# Altium PCB CGRA_Board_3.PcbDoc (part 3 of 7)
Units mil, origin at the board's own origin, x right, y up, seen from the top; angles counter-clockwise.
Board outline 10143 x 5538 mil, 10 copper layers (Top Layer, GND, Int2 (Sign), 1V8, Int4 (Sign), Int5 (Sign), 0V8_OUT, Int7 (Sign), GND (Plane4), Bottom Layer), stack 59.156 mil thick; 266 components, 396 nets, 2084 pads, 2900 vias.
Unrouted connection lines stored in the file: 464.
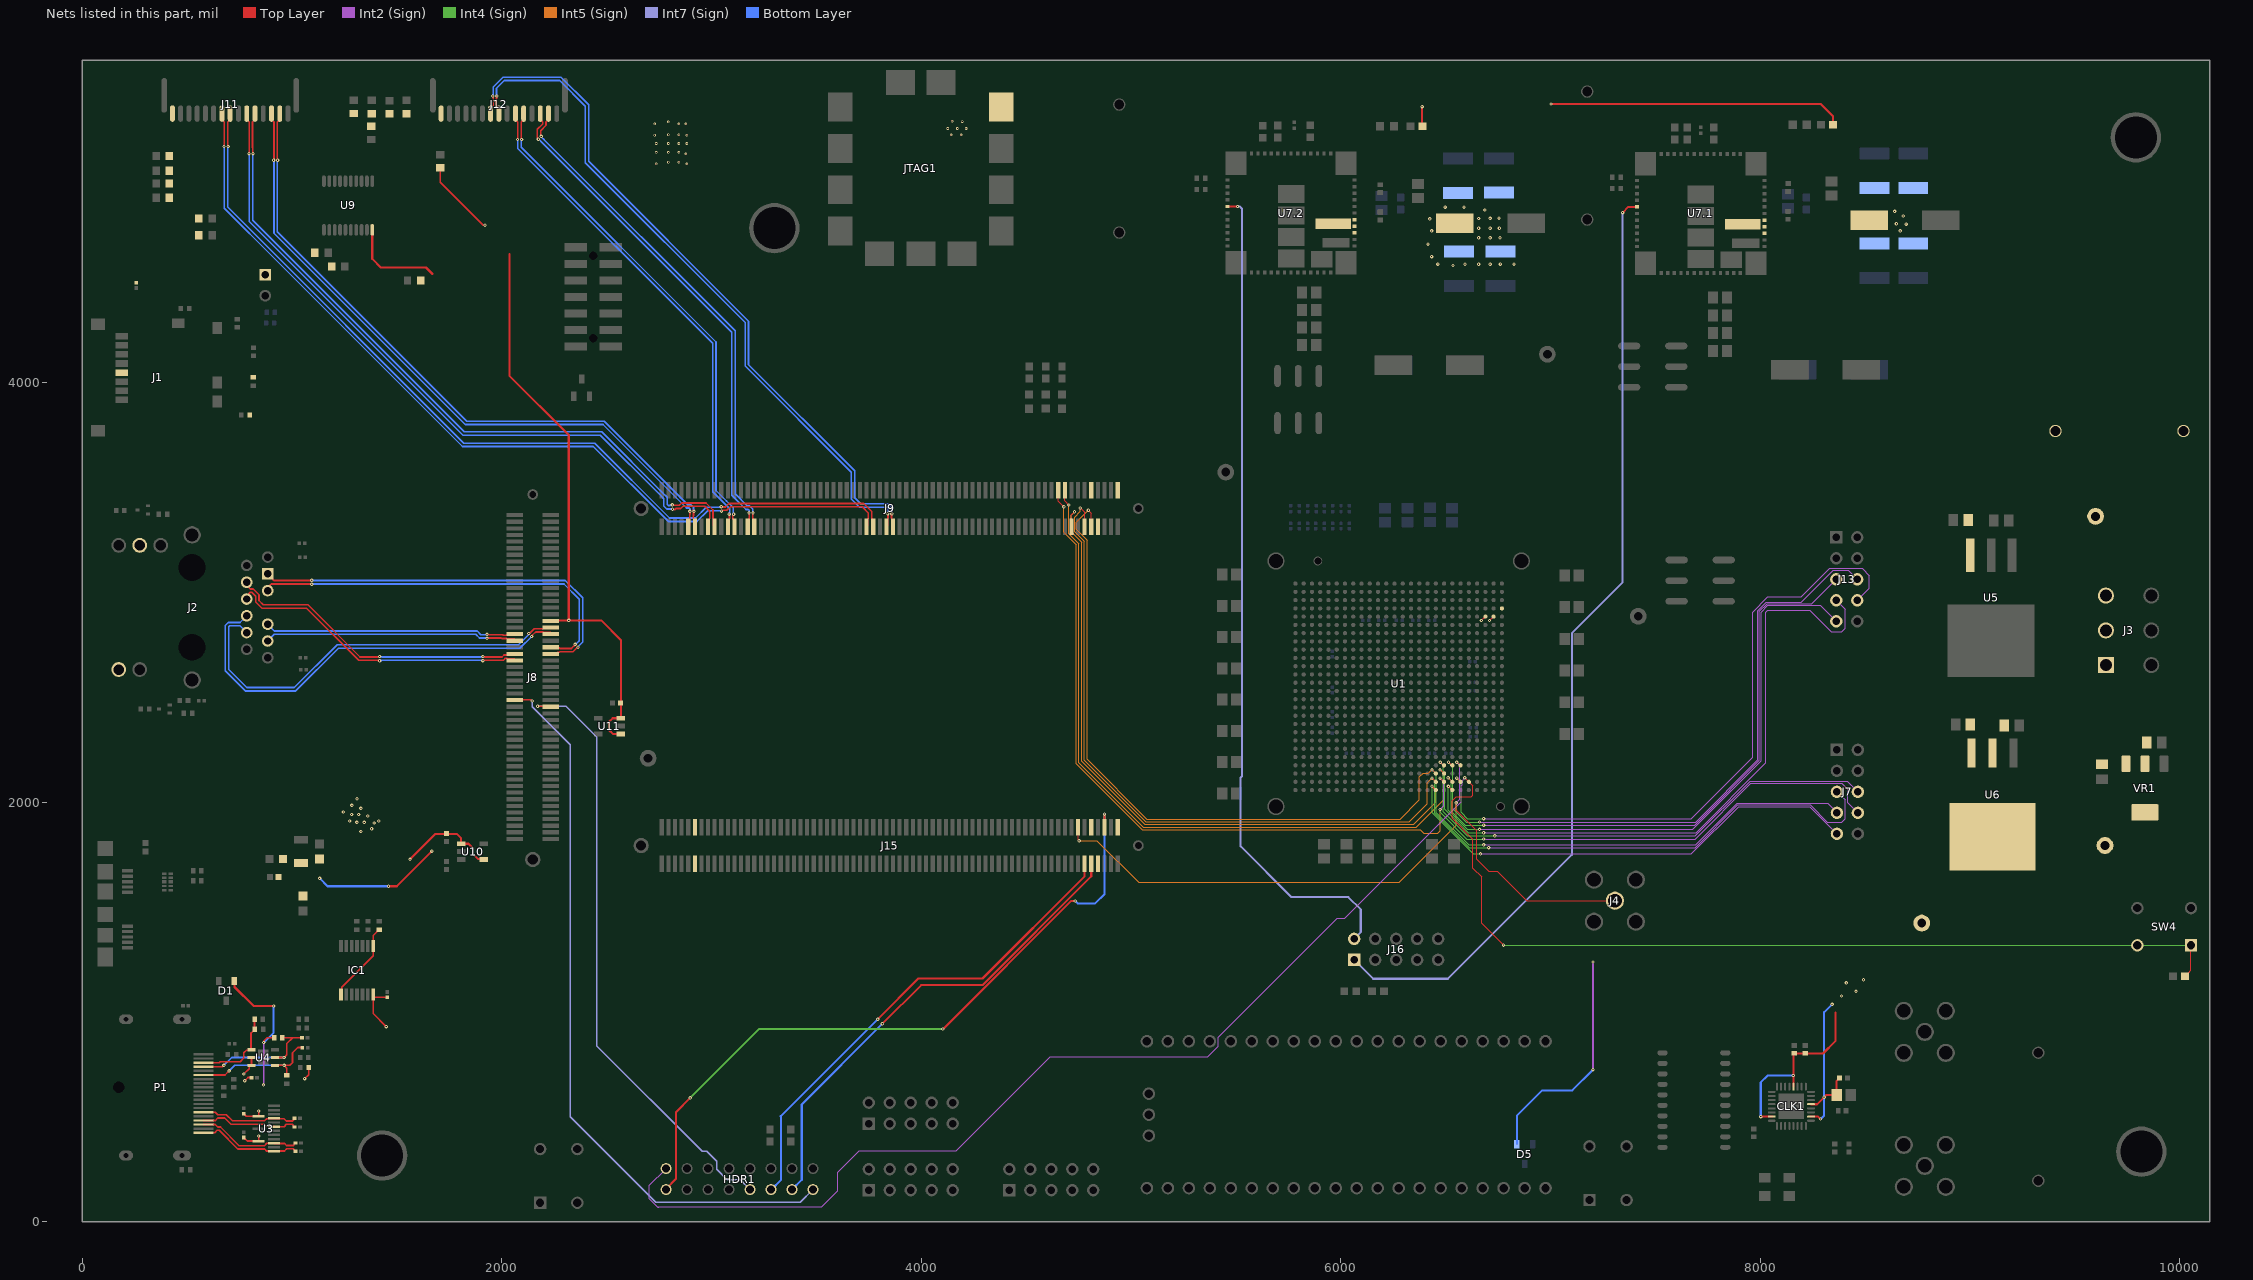
[diagram p11: the nets of this part, all layers, seen from the top]

## Via types
v1: diameter 22, hole 10, Top Layer to Bottom Layer, 1756 vias
v2: diameter 15.98, hole 4, Top Layer to Bottom Layer, 537 vias
v3: diameter 15.98, hole 4, Top Layer to Bottom Layer, tented both sides, 515 vias
v4: diameter 16, hole 4, Top Layer to Bottom Layer, 47 vias
v5: diameter 12, hole 6, Top Layer to Bottom Layer, 30 vias
v6: diameter 16, hole 8, Top Layer to Bottom Layer, 15 vias

## Nets (pads, with @x,y where several pads share a name; then routed paths per layer and width w, separated by ;. In a path a pad name is that pad's centre, name@x,y a point inside that pad or via, vN(x,y) a via of type N, cw(c..) or ccw(c..) an arc to the next point about the centre after c; other vN are vias at no path point) (continued)
3V3: C37.1 C39.1 C40.1 C47.1 C48.1 C49.1 C137.2 C142.1 C143.2 C144.2 C145.1 C156.2 C178.1 C179.1 C180.1 C181.1 C182.2 C183.2 C184.2 C185.2 CLK1.7 CLK1.18 CLK1.21 CLK1.28 D1.1 IC1.14 J1.4 J2.14 J2.16 J8.67 J11.1 J12.1 JTAG1.11 P2.1 R7.2 R19.2 R21.2 R25.2 R32.1 R35.1 R47.2 R48.2 R49.2 R50.2 R51.2 R52.2 R53.2 TP2.1 U3.13 U3.15 U4.5 U4.6 U6.2 U6.4 U9.20 U10.1 U10.4 U11.1 U11.3 | length 8801.5
  Top Layer w8: C143.2@771,401.63 771,400.84 775.27,396.58 776.06,396.58 787.54,385.09 U3.15@841.58,385.09 v2(841.58,409.62) ; C142.1@771,515.22 771,514.43 775.27,510.16 776.06,510.16 783.01,503.21 U3.13@841.58,503.21 v2(841.58,528.56) ; v2(771,704.85) 796.8,730.65 796.8,741.96 800.67,745.83 U4.6@807.27,745.83 U4.5@807.27,783.24 ; v2(775.27,672.72) 790.56,688.02 C144.2@807.27,688.02 ; v2(865.59,855) 865.59,862 881.58,877.98 R19.2@915.59,877.98 ; v2(1061.03,683.02) 1079.69,701.67 R7.2@1079.69,736 ; IC1.14@1387.36,1084 IC1.14@1387.36,1075.28 ; v2(1450,930.59) 1387.36,993.23 IC1.14@1387.36,1075.28 ; C137.2@1455,1070.42 1392.22,1070.42 IC1.14@1387.36,1075.28 ; R53.2@1707.12,5024.55 1707.12,4956.08 1912.61,4750.59 v2(1920.38,4750.59)
  Top Layer w10: D1.1@725.32,1148.65 726.18,1147.78 726.18,1119.82 816.69,1029.31 v4(912.91,1029.31) ; U9.20@1383.16,4728.86 1383.16,4590.39 1424.11,4549.43 1639.07,4549.43 1670.13,4518.37 ; v4(1563,1728) 1684.5,1849.5 1785.5,1849.5 1806.87,1828.13 U10.1@1806.87,1802.4 1842.03,1802.4 1864,1780.43 1864,1753 1886.31,1730.69 1912.04,1730.69 U10.4@1915.13,1727.6 ; 2037,4613 2037,4034 2320,3751 v2(2320,2867.33) ; J8.67@2237.73,2867.33 v2(2320,2867.33) ; U11.1@2568.13,2325.99 2530.01,2325.99 2514,2342 2514,2385.56 2529.24,2400.79 U11.3@2568.13,2400.79 2568.13,2773.87 2474.67,2867.33 v2(2320,2867.33) ; R32.1@6381,5220 6386.83,5225.83 6386.83,5232.48 6388,5233.65 v2(6388,5316) ; v2(7002,5329) 8287.76,5329 8346.4,5270.36 R35.1@8346.4,5230 ; v4(8002.21,501.79) CLK1.7@8054.5,501.79 ; CLK1.28@8157.84,644.5 C47.1@8157.84,801.68 ; v4@8157.84,698 C47.1@8157.84,801.68 ; CLK1.18@8241.5,501.79 8275.21,501.79 v4(8287,490) ; CLK1.21@8241.5,560.84 8270.84,560.84 v4(8304,594) 8315.53,605.53 C49.1@8364.02,605.53 8364.02,672.26 8370,678.24 8370.79,678.24 8377.6,685.05 C48.1@8377.6,685.84 ; 8357.75,998.28 8357.75,861.75 8298.52,802.52 8157,802.52 C47.1@8157.84,801.68
  Int2 (Sign) w8: v2(865,653) 865.59,653.59 v2(865.59,855)
  Bottom Layer w10: v2(865.59,855) 912.91,902.32 v4(912.91,1029.31) ; v4(8002.21,501.79) 8002.21,664.68 8035.54,698 v4(8157,698) ; v4(8287,490) 8304,507 v4(8304,594) 8304,999 v2(8342,1037)
  other v2: 8387,1077 8456,1099 8410,1139 8492,1154 1329,1861 1380,1874 1392.22,1901.5 1310,1904.27 1345,1904.27 1275,1911 1414.03,1911 1361.72,1934.94 1285,1942 1318,1942 1245.5,1953.94 1329,1971 1286,1985.44 1310.59,2016.94
  other v5: 2737,5043 2883,5043 2794.88,5051 2845,5051 2878.62,5090.59 2737,5098 2794.88,5098 2845,5098 2737,5140.5 2794.88,5140.5 2845,5140.5 2883,5140.5 2729,5180 2883,5180 4142,5181.08 4189.99,5181.08 2794.88,5182.47 2845,5182.47 4126,5212 4172.5,5212 4214,5212 2729,5233.66 2845,5233.66 2878.62,5233.66 2794.88,5243.15 4194.99,5245 4147,5246
5V0: C152.2 C153.2 C155.2 C173.2 C174.2 C175.2 C176.2 D5.1 L1.1 TP3.1 U5.3 U6.3 VR1.2 VR1.4 | length 1724.6
  Top Layer w10: v4(1132,1637.6) v4@1132,1639.94 ; v4(1460.48,1600) 1500.09,1600 v4(1667.39,1767.3)
  Int2 (Sign) w10: v4(7202.48,725.66) v4(7202.48,1238.52)
  Bottom Layer w10: v4(1132,1637.6) 1169.6,1600 v4(1460.48,1600) ; D5.1@6839.6,370.49 6839.6,505.6 6961,627 7103.83,627 v4(7202.48,725.66)
12V: B2.1 B2.2 C151.2 C157.1.1 C157.2.1 C158.1.1 C158.2.1 C159.1.1 C159.2.1 C160.1.1 C160.2.1 C161.1.1 C161.2.1 J3.1 J3.2 J3.3 J9.132 J9.133 J9.140 J15.132 J15.133 J15.140 TP4.1 U7.1.44 U7.1.45 U7.1.46 U7.1.53 U7.2.44 U7.2.45 U7.2.46 U7.2.53 VR1.3
  other v2: 6535,4559 6592.28,4565 6657,4565 6712,4565 6463,4565.5 6761,4565.5 6826,4565.5 6433,4601 6415.5,4660.68 6657,4691 6712,4691 6759,4691 6433,4724 8667,4724 6657,4736.5 6712,4736.5 6756,4736.5 8695,4756 8648.46,4757.84 6424,4781.52 6657,4782.82 6712,4783.51 6754,4784.67 8681.28,4795 8640,4817 6686.84,4823.15 6497.71,4837.22 6587.28,4837.22
ALERT0: J16.2 U7.2.20 | length 3966.2
  Top Layer w10: U7.2.20@5459.85,4840.5 v2(5508.49,4840.5)
  Int7 (Sign) w10: v2(5508.49,4840.5) 5518.5,4840.5 5529,4830 5529,2124.09 5522.5,2117.59 5522.5,1790.5 5765,1548 6036.37,1548 6095.05,1489.32 6095.05,1380.92 6064,1349.87 J16.2@6064,1349
ALERTIO: J16.1 U7.1.20 | length 4561.5
  Top Layer w10: v2(7343.67,4811) 7370.98,4838.31 U7.1.20@7412.85,4838.31
  Int7 (Sign) w10: J16.1@6064,1249 6154,1159 6510.76,1159 7101.5,1749.74 7101.5,2806.68 7343.67,3048.84 v2(7343.67,4811)
CAM0_C_N: J9.65 J11.8 | length 4247.3
  Top Layer w8: v2(696.07,5125.9) 694.54,5127.43 694.54,5133.09 694.32,5133.3 694.32,5227.1 694.31,5243.15 706,5254.83 J11.8@706,5283.2 ; v2@3047.97,3407.75 3066.76,3407.75 3083.83,3424.81 3724.81,3424.81 3763.51,3386.12 3763.51,3354.06 3765.42,3352.15 3765.42,3319.84 J9.65@3771.26,3314
  Bottom Layer w8: v2(696.07,5125.9) 694.54,5124.37 694.54,5118.71 694.32,5118.49 694.32,4837.69 1820,3712 2443,3712 2800,3355 2924.37,3355 2975.37,3406 v2@3040.57,3406
  other v2: 3046.76,3408.96
CAM0_C_P: J9.63 J11.7 | length 4239.7
  Top Layer w8: J11.7@666.63,5283.2 666.63,5254.83 678.31,5243.15 678.31,5220.48 678.32,5133.3 678.1,5133.09 678.1,5127.43 v2(676.57,5125.9) ; v2@3054.6,3391.75 3073.39,3391.75 3090.46,3408.81 3718.19,3408.81 3747.51,3379.49 3747.51,3354.06 3745.61,3352.15 3745.61,3319.84 J9.63@3739.76,3314
  Bottom Layer w8: v2(676.57,5125.9) 678.1,5124.37 678.1,5118.71 678.32,5118.49 678.32,4831.06 797,4712.37 ; 797.69,4711.69 1813.37,3696 2436.37,3696 2793.37,3339 2931,3339 2982,3390 v2@3040.57,3390
  other v2: 3047.97,3388.25
CAM0_D0_N: J9.11 J11.14 | length 3199.8
  Top Layer w8: v2(932.29,5060.76) 930.76,5062.29 930.76,5067.95 930.54,5068.17 930.54,5243.15 942.22,5254.83 J11.14@942.22,5283.2 ; v2@2915.09,3392.1 2914.1,3391.11 2914.1,3366.35 2913.12,3365.37 2913.12,3354.06 2915.02,3352.15 2915.02,3319.84 J9.11@2920.87,3314
  Bottom Layer w8: v2(932.29,5060.76) 930.76,5059.23 930.76,5053.58 930.54,5053.36 930.54,4719.46 1833,3817 2489.75,3817 2887.56,3419.19 2900.81,3419.19 2914.87,3405.13 2914.87,3388.75 v2(2916.62,3387)
CAM0_D0_P: J9.9 J11.13 | length 3195
  Top Layer w8: J11.13@902.85,5283.2 902.85,5254.83 914.54,5243.15 914.54,5068.17 914.32,5067.95 914.32,5062.29 v2(912.79,5060.76) ; J9.9@2889.37,3314 2895.21,3319.84 2895.21,3352.15 2897.12,3354.06 2897.12,3372 2898.1,3372.98 2898.1,3385.27 2898.48,3385.64 v2(2897.12,3387)
  Bottom Layer w8: v2(912.79,5060.76) 914.32,5059.23 914.32,5053.58 914.54,5053.36 914.54,4712.84 1826.37,3801 2483.12,3801 2880.93,3403.19 2894.18,3403.19 2898.87,3398.5 2898.87,3388.75 v2(2897.12,3387)
CAM0_D1_N: J9.17 J11.11 | length 3396.1
  Top Layer w8: v2(814.75,5091.89) 813.22,5093.42 813.22,5099.07 813,5099.29 813,5120.38 812.43,5120.96 812.43,5243.15 824.11,5254.83 J11.11@824.11,5283.2 ; v2(2813.44,3417.82) 2814.9,3416.37 2847.13,3416.37 2857.76,3427 2974.23,3427 3007.61,3393.63 3007.61,3354.06 3009.51,3352.15 3009.51,3319.84 J9.17@3015.35,3314
  Bottom Layer w8: v2(814.75,5091.89) 813.22,5090.35 813.22,5084.7 813,5084.48 813,4775.37 1822.37,3766 2476.99,3766 2765.92,3477.07 2788.76,3454.24 2788.76,3419.26 2793.44,3414.57 2803.82,3414.57 2805.55,3416.29 2811.91,3416.29 v2(2813.44,3417.82)
CAM0_D1_P: J9.15 J11.10 | length 3391.8
  Top Layer w8: J11.10@784.74,5283.2 784.74,5254.83 796.43,5243.15 796.43,5152.2 796.43,5114.33 797,5113.76 797,5099.29 796.78,5099.07 796.78,5093.42 v2(795.25,5091.89) ; v2@2819.58,3395.68 2826.33,3395.68 2831.01,3400.37 2853.75,3400.37 2864.39,3411 2967.61,3411 2991.61,3387 2991.61,3354.06 2989.7,3352.15 2989.7,3319.84 J9.15@2983.86,3314
  Bottom Layer w8: v2(795.25,5091.89) 796.78,5090.35 796.78,5084.7 797,5084.48 797,4768.75 1815.75,3750 2470.36,3750 2754.6,3465.76 2772.76,3447.61 2772.76,3412.63 2786.82,3398.57 2813.2,3398.57 v2(2814.65,3397.11)
CAM1_C_N: J9.69 J12.8 | length 3299.7
  Top Layer w8: v2(1977.07,5367) 1975.54,5365.47 1975.54,5359.81 1975.32,5359.59 1975.32,5336.48 1975.31,5323.26 1987,5311.58 J12.8@1987,5283.2 ; J9.69@3834.25,3314 3840.09,3319.84 3840.09,3352.15 3842,3354.06 3842,3368.16 3841.78,3368.38 3841.78,3374.04 v2(3840.25,3375.57)
  Bottom Layer w8: v2(1977.07,5367) 1975.54,5368.53 1975.54,5374.19 1975.32,5374.41 1975.32,5403.26 2013.05,5441 2276.37,5441 2398.63,5318.75 2398.63,5049.37 3161,4287 3161,4079.69 3666.69,3574 3666.69,3445.69 3705.84,3406.53 3836.47,3406.53 3842,3401.01 3842,3382.98 3841.78,3382.76 3841.78,3377.1 v2(3840.25,3375.57)
CAM1_C_P: J9.71 J12.7 | length 3356
  Top Layer w8: J12.7@1947.63,5283.2 1947.63,5311.58 1959.31,5323.26 1959.31,5343.1 ; v2(1957.57,5367) 1959.1,5365.47 1959.1,5359.81 1959.32,5359.59 1959.32,5343.1 ; 1959.32,5339.87 1959.32,5343.1 ; v2(3859.75,3375.57) 3858.22,3374.04 3858.22,3368.38 3858,3368.16 3858,3354.06 3859.91,3352.15 3859.91,3319.84 J9.71@3865.75,3314
  Bottom Layer w8: v2(1957.57,5367) 1959.1,5368.53 1959.1,5374.19 1959.32,5374.41 1959.32,5409.89 2006.42,5457 2283,5457 2414.63,5325.37 2414.63,5056 3177,4293.63 3177,4086.31 3682.69,3580.63 3682.69,3452.31 3712.47,3422.53 3843.1,3422.53 3858,3407.63 3858,3382.98 3858.22,3382.76 3858.22,3377.1 v2(3859.75,3375.57)
CAM1_D0_N: J9.29 J12.14 | length 2397
  Top Layer w8: v2@2186.29,5174.65 2186.93,5175.28 2186.93,5181.83 2186.29,5182.47 2186.29,5201.79 2211.53,5227.03 2211.53,5243.15 2223.22,5254.83 J12.14@2223.22,5283.2 ; v2@3196.58,3372.59 3196.58,3354.06 3198.49,3352.15 3198.49,3319.84 J9.29@3204.33,3314
  Bottom Layer w8: v2@2192.46,5168.17 2197.48,5163.15 2211.54,5149.09 3113,4247.63 3113,3470.21 3171.02,3412.19 3182.52,3412.19 3196.58,3398.13 v2@3196.58,3380
  other v2: 3198.33,3380 2188.46,5174.65
CAM1_D0_P: J9.27 J12.13 | length 2398.8
  Top Layer w8: v2(2174.67,5160.86) 2174.67,5163.02 2170.29,5167.4 2170.29,5208.41 2195.53,5233.66 2195.53,5243.15 2183.85,5254.83 J12.13@2183.85,5283.2 ; J9.27@3172.83,3314 3178.68,3319.84 3178.68,3352.15 3180.58,3354.06 v2@3180.58,3372.59
  Bottom Layer w8: v2@2181.14,5156.86 2190.85,5147.15 2195.54,5142.46 3097,4241 3097,3463.58 3164.4,3396.19 3175.9,3396.19 3180.58,3391.5 v2@3180.58,3380
  other v2: 3178.83,3380
CAM1_D1_N: J9.23 J12.11 | length 2392.4
  Top Layer w8: v2(2095.18,5159.54) 2093.65,5161.07 2093.65,5166.72 2093.43,5166.94 2093.43,5243.15 2105.11,5254.83 J12.11@2105.11,5283.2 ; v2@3102.09,3367.21 3102.09,3351.28 3109.84,3343.53 J9.23@3109.84,3314
  Bottom Layer w8: v2(2095.18,5159.54) 2093.65,5158 2093.65,5152.35 2093.43,5152.13 2093.43,5123.2 3022,4194.63 3022,3486.63 3072,3436.63 3095.56,3413.06 3095.81,3413.06 3103.42,3405.46 3103.42,3382.72 3104.14,3381.99 3104.14,3374.49 v2(3105.67,3372.96)
CAM1_D1_P: J9.21 J12.10 | length 2391.1
  Top Layer w8: J12.10@2065.74,5283.2 2065.74,5254.83 2077.43,5243.15 2077.43,5166.94 2077.21,5166.72 2077.21,5161.07 v2(2075.68,5159.54) ; J9.21@3078.35,3314 3078.35,3343.53 3086.09,3351.28 v2@3086.09,3366.1
  Bottom Layer w8: v2(2075.68,5159.54) 2077.21,5158 2077.21,5152.35 2077.43,5152.13 2077.43,5116.57 3006,4188 3006,3480 3060.68,3425.32 3079.56,3406.44 3079.81,3406.44 3087.42,3398.83 3087.42,3382.98 3085.87,3381.44 3085.87,3375.04 v2(3084.34,3373.51)
cc_fpga_i2c_scl: HDR1.15 J8.44 | length 3492.4
  Top Layer w8: J8.44@2064.5,2489.38 2139.62,2489.38 v2(2146,2483)
  Int7 (Sign) w8: v2(2146,2483) 2146,2455 2327,2274 2327,501 2735,93 3423,93 HDR1.15@3484,154
cc_fpga_i2c_sda: HDR1.9 J8.41 | length 2918.6
  Top Layer w8: v2(2171.3,2458) 2171.42,2457.88 J8.41@2237.73,2457.88
  Int7 (Sign) w8: v2(2171.3,2458) 2307,2458 2453.91,2311.09 2453.91,838.13 2955.52,336.52 2977.48,336.52 3025,289 3025,251 3074.52,201.48 3136.52,201.48 HDR1.9@3184,154
cgra_clk: J4.1 J15.128 U1.F23 | length 3445.7
  Top Layer w4: J15.128@4747.64,1880.23 4747.64,1822 v4(4752.81,1816.83) ; v2(6550,1997.17) 6550,1962.65 6648.5,1864.15 6648.5,1727.39 6704.44,1671.45 6745.82,1671.45 6886.27,1531 J4.1@7307,1531
  Top Layer w5: v3(6552.97,2191.14) 6553.78,2191.14 6568.52,2176.41 U1.F23@6571.15,2176.41
  Int2 (Sign) w4: v2(6550,1997.17) 6567,2014.17 6567,2177.11 v3(6552.97,2191.14)
  Int5 (Sign) w4: v4(4752.81,1816.83) 4837.85,1816.83 5036.28,1618.39 6277.57,1618.39 6550,1890.82 v2(6550,1997.17)
cgra_jtag_tck: J13.7 U1.H23 | length 3274
  Top Layer w5: v3(6474.01,2191.14) 6474.83,2191.14 6489.56,2176.41 U1.H23@6492.41,2176.41
  Int2 (Sign) w4: v2(6681,1855) 7694.51,1855 8027,2187.49 8027,2907 8035,2915 8235.19,2915 8338.19,2812 8387,2812 8404,2829 8404,2921 J13.7@8362,2963
  Int4 (Sign) w4: v3(6474.01,2191.14) 6488,2177.16 6488,2150.36 6495.5,2142.86 6495.5,1967.18 6607.68,1855 v2(6681,1855)
cgra_jtag_tdi: J13.9 U1.G26 | length 2917
  Top Layer w5: v3(6513,2076) 6512.72,2076 6530.42,2058.3 U1.G26@6531.78,2058.3
  Int2 (Sign) w4: v2(6661,1871) 7677.28,1871 8003.5,2197.22 8003.5,2907 8035,2938.5 8286.5,2938.5 J13.9@8362,2863
  Int4 (Sign) w4: v3(6513,2076) 6513,1961.29 6603.29,1871 v2(6661,1871)
cgra_jtag_tdo: J13.8 U1.F25 | length 3213.7
  Top Layer w5: v3(6552.61,2115.48) 6552.97,2115.48 6570.79,2097.67 U1.F25@6571.15,2097.67
  Int2 (Sign) w4: v2(6681,1922) 7671,1922 7963,2214 7963,2907 8035,2979 8195,2979 8332,3116 8485,3116 8520,3081 8520,3021 J13.8@8462,2963
  Int4 (Sign) w4: v3(6552.61,2115.48) 6574,2094.09 6574,1952 6604,1922 v2(6681,1922)
cgra_jtag_tms: J13.5 U1.G25 | length 2958.2
  Top Layer w5: v3(6511.57,2117) 6512.01,2117 6531.34,2097.67 U1.G25@6531.78,2097.67
  Int2 (Sign) w4: v3@6511.57,2116.43 v3(6511.57,2117) ; v2(6681,1891) 7686.67,1891 7717.67,1922 7996,2200.33 7996,2910.11 8031.89,2946 8245,2946 J13.5@8362,3063
  Int4 (Sign) w4: v3(6511.57,2117) 6527,2101.57 6527,1957.89 6593.89,1891 v2(6681,1891)
cgra_jtag_trstn: J13.6 U1.G23 | length 3139.2
  Top Layer w5: v3(6513.3,2191.14) 6514.11,2191.14 6528.84,2176.41 U1.G23@6531.78,2176.41
  Int2 (Sign) w4: v2(6661,1906) 7691.06,1906 7988.5,2203.44 7988.5,2913.21 8028.79,2953.5 8195,2953.5 8347.5,3106 8419,3106 J13.6@8462,3063
  Int4 (Sign) w4: v3(6513.3,2191.14) 6534,2170.44 6534,2105.18 6534.5,2104.68 6534.5,1970 6598.5,1906 v2(6661,1906)
CGRA_RESET_N: HDR1.2 R56.2 SW4.1 SW4.2 U1.E25 | length 9495.7
  Top Layer w4: U1.E25@6610.52,2097.95 U1.E25@6610.52,2097.67 6625.06,2083.13 6629,2079.19 6629,2033.55 6622.55,2027.11 6550.77,2027.11 6531.78,2008.12 6531.78,1922.94 6630,1824.72 6630,1685.91 6671.91,1644 6671.91,1422.92 v2(6776,1318.84) ; R56.2@10024.54,1171 10025.53,1171 10041.24,1186.72 10041.24,1187.7 10052.95,1199.41 SW4.1@10052.95,1318.42
  Top Layer w5: v3(6591.05,2116.85) 6591.19,2116.85 6610.1,2097.95 U1.E25@6610.52,2097.95
  Int2 (Sign) w4: HDR1.2@2784,254 2704,174 2704,111 2744.34,70.66 2747.66,70.66 2748,71 3525,71 3602,148 3602,237 3704,339 4166.07,339 4614.07,787 5365.5,787 5416.22,837.73 5416.22,879.36 5982.98,1446.11 6018.02,1446.11 6574.5,2002.59 6574.5,2079.58 6578.34,2083.42 6578.34,2103.29 6591.05,2116 v3(6591.05,2116.85)
  Int4 (Sign) w4: v2(6776,1318.84) 7185,1318.84 7185.42,1318.42 SW4.2@9797.05,1318.42 SW4.1@10052.95,1318.42
DP_HPD_R: P1.18 R8.2 R10.2 U4.4 | length 422.6
  Top Layer w8: P1.18@578.94,759.11 653.06,759.11 657.95,764 754,764 771,781 771,806 783.26,818.26 804.89,818.26 804.89,899.89 815.2,910.2 817.17,910.2 824,917.03 R10.2@824,919 821.9,921.1 R8.2@821.9,965.8
dp_jtag_tck: J7.7 J9.131 U1.J24 | length 5550.5
  Top Layer w4: v4(4797,3392) 4810.63,3378.37 J9.131@4810.63,3314
  Top Layer w5: v3(6434.55,2154.76) 6434.93,2154.76 6452.65,2137.04 U1.J24@6453.04,2137.04
  Int2 (Sign) w4: v2(6681,1797) 6681.5,1797.5 7692.87,1797.5 7890.19,1994.81 8320.19,1994.81 J7.7@8365,1950
  Int4 (Sign) w4: v3(6434.55,2154.76) 6455.5,2133.81 6455.5,1951 6609.5,1797 v2(6681,1797)
  Int5 (Sign) w4: v4(4797,3392) 4739,3334 4739,3301 4790.62,3249.38 4790.62,2205.38 5075.96,1920.04 6282.31,1920.04 6375,2012.73 6375,2121 6392,2138 6417.79,2138 v3(6434.55,2154.76)
dp_jtag_tdi: J7.9 J9.125 U1.J26 | length 5545.8
  Top Layer w4: J9.125@4716.14,3314 4716.14,3370.14 v4(4731,3385)
  Top Layer w5: v3(6434.5,2076.34) 6434.75,2076.34 6452.79,2058.3 U1.J26@6453.04,2058.3
  Int2 (Sign) w4: v2(6666,1754) 7670.58,1754 7896.4,1979.81 8235.19,1979.81 J7.9@8365,1850
  Int4 (Sign) w4: v3(6434.5,2076.34) 6434.93,2075.9 6434.93,1950.35 6631.29,1754 v2(6666,1754)
  Int5 (Sign) w4: v4(4731,3385) 4715,3369 4715,3288.94 4765.12,3238.82 4765.12,2194.82 5065.4,1894.54 6347.92,1894.54 6453,1999.62 6453,2057.84 v3(6434.5,2076.34)
dp_jtag_tdo: J7.8 J9.122 U1.H25 | length 5771.7
  Top Layer w4: J9.122@4653.15,3487.23 4653.15,3435.47 v4(4679.8,3408.81)
  Top Layer w5: v3(6473,2115.48) 6473.8,2115.48 6491.61,2097.67 U1.H25@6492.41,2097.67
  Int2 (Sign) w4: v3(6473,2115.48) 6492,2096.48 6492,1984.64 v2(6473.36,1966) ; v2(6681,1825) 7688.63,1825 7953.63,2090 8388,2090 8416.78,2061.22 8416.78,1998.22 J7.8@8465,1950
  Int4 (Sign) w4: v2(6473.36,1966) 6473.36,1951.43 6599.79,1825 v2(6681,1825)
  Int5 (Sign) w4: v4(4679.8,3408.81) 4679.8,3287.2 4739,3228 4739,2184 5054.58,1868.42 6379.8,1868.42 6395.39,1852.83 6461.57,1852.83 6473.36,1864.61 v2(6473.36,1966)
dp_jtag_tms: J7.5 J9.129 U1.J25 | length 5748.2
  Top Layer w4: v4(4758,3403) 4779.13,3381.87 J9.129@4779.13,3314
  Top Layer w5: v3(6434.55,2115.48) 6434.89,2115.48 6452.7,2097.67 U1.J25@6453.04,2097.67
  Int2 (Sign) w4: v2(6705,1784) 7688.98,1784 7689.48,1783.5 7893.29,1987.31 8238.29,1987.31 8319.61,1906 8388,1906 8404,1922 8404,2011 J7.5@8365,2050
  Int4 (Sign) w4: v3(6434.55,2115.48) 6448,2102.03 6448,1947.89 6612.39,1783.5 6704.5,1783.5 v2(6705,1784)
  Int5 (Sign) w4: v4(4758,3403) 4758,3386.36 4731,3359.36 4731,3290 4777.18,3243.82 4777.18,2199.82 5070.4,1906.61 6326.68,1906.61 6413,1992.93 6413,2093.94 v3(6434.55,2115.48)
dp_jtag_trstn: J7.6 J9.124 U1.H24 | length 5787.7
  Top Layer w4: J9.124@4684.65,3487.23 4684.65,3436.35 v4(4704,3417)
  Top Layer w5: v3(6473,2154.76) 6473.81,2154.76 6491.53,2137.04 U1.H24@6492.41,2137.04
  Int2 (Sign) w4: v2(6734,1840) 7690.82,1840 7951.82,2101 8414,2101 J7.6@8465,2050
  Int4 (Sign) w4: v3(6473,2154.76) 6488,2139.76 6488,1956 6604,1840 v2(6734,1840)
  Int5 (Sign) w4: v4(4704,3417) 4704,3280 4751.02,3232.98 4751.02,2188.98 5059.56,1880.44 6359.16,1880.44 6494.04,2015.33 6494.04,2135.66 6491.7,2138 6489.76,2138 v3(6473,2154.76)
DP_RE_N: IC1.1 IC1.8 R14.1 | length 385.9
  Top Layer w8: IC1.8@1233.82,1084 1237.75,1087.93 1237.75,1118.45 1387.36,1268.06 IC1.1@1387.36,1314.32 1387.36,1364.68 1407.2,1384.52 1407.2,1386.49 1414.03,1393.32 R14.1@1416,1393.32
DP_TX2_N: C136.2 P1.6 U3.9 | length 468.6
  Top Layer w8: P1.6@578.94,522.89 634.6,522.89 646.29,511.21 687.21,511.21 716.74,481.68 869.74,481.68 880.21,492.15 913.21,492.15 U3.9@914.42,493.36 916.32,491.46 962.24,491.46 972.94,480.76 1003.27,480.76 1007.96,485.44 1007.96,489.09 1012.23,493.36 C136.2@1013.02,493.36
DP_TX2_P: C135.2 P1.4 U3.7 | length 467.8
  Top Layer w8: P1.4@578.94,483.52 635.62,483.52 647.31,495.21 680.58,495.21 710.11,465.68 869.74,465.68 880.21,455.21 913.2,455.21 U3.7@914.42,453.99 963,453.99 973.77,464.76 1003.27,464.76 1007.95,460.07 1007.95,456.42 1012.22,452.15 C135.2@1013.01,452.15
DP_TX3_N: C134.2 P1.3 U3.3 | length 495.9
  Top Layer w8: P1.3@578.94,463.84 634.6,463.84 646.29,452.15 659.69,452.15 748.27,363.57 869.74,363.57 880.21,374.04 913.21,374.04 U3.3@914.42,375.25 916.32,373.35 965.28,373.35 974.68,363.94 1007.27,363.94 1011.95,368.63 1011.95,371.73 1016.22,376 C134.2@1017.01,376
DP_TX3_P: C133.2 P1.1 U3.1 | length 496.2
  Top Layer w8: P1.1@578.94,424.47 579.62,425.15 631.98,425.15 642.97,436.15 653.06,436.15 741.64,347.57 870.32,347.57 880.5,337.39 912.91,337.39 U3.1@914.42,335.88 916.32,337.79 964.96,337.79 975.11,347.94 1007.26,347.94 1011.94,343.25 1011.94,340.15 1016.21,335.88 C133.2@1017,335.88
DPAUX_C_N: C141.2 P1.17 R19.1 U4.2 | length 651
  Top Layer w8: P1.17@578.94,739.43 669.13,739.43 v2(675.54,745.83) ; U4.2@919.47,783.24 v2(963,783.24) 976,796.24 976,850 1003.97,877.97 C141.2@1048.47,877.98 ; R19.1@954.96,877.98 1003.95,877.98
  Bottom Layer w8: v2(675.54,745.83) 712.94,783.24 v2(963,783.24)
DPAUX_C_P: C140.2 P1.15 R12.1 U4.1 | length 649.1
  Top Layer w8: P1.15@578.94,700.06 681.31,700.06 v2(701,719.74) ; U4.1@919.47,745.83 v2(963,745.83) ; R12.1@976,698.69 976,732.83 v2(963,745.83) ; C140.2@1049.75,831.09 1027.46,831.09 1003.27,806.9 1003.27,759.11 989.99,745.83 v2(963,745.83)
  Bottom Layer w8: v2(701,719.74) 727.09,745.83 v2(963,745.83)
ETH_MD1_N: J2.3 J8.59 | length 1863.5
  Top Layer w8: J2.3@884.61,3009 884.61,3021.75 897.24,3034.38 897.24,3036.31 901.92,3041 1087.22,3041 1087.44,3040.78 1093.1,3040.78 v2(1094.63,3039.25) ; J8.59@2259.73,2735.5 2275.88,2735.5 2277.79,2733.6 2333.07,2733.6 2350.16,2750.68 v2(2350.16,2753.16)
  Bottom Layer w8: v2@1094.63,3041 2297,3041 2370,2968 2370,2770.53 2356.63,2757.16 2356.32,2757.16 2352.32,2753.16 v2(2350.16,2753.16)
ETH_MD1_P: J2.1 J8.57 | length 1903.5
  Top Layer w8: J2.1@884.61,3089 908.17,3065.44 908.17,3061.69 912.85,3057 1087.22,3057 1087.44,3057.22 1093.1,3057.22 v2(1094.63,3058.75) ; J8.57@2266.36,2715.69 2275.88,2715.69 2277.79,2717.6 2339.7,2717.6 2361.47,2739.37 v2(2363.95,2739.37)
  Bottom Layer w8: v2@1094.63,3057 2303.63,3057 2386,2974.63 2386,2763.9 2363.94,2741.84 v2(2363.95,2739.37)
ETH_MD2_N: J2.6 J8.58 | length 1462.2
  Top Layer w8: J2.6@784.61,3049 784.61,3036.25 797.24,3023.62 797.24,3021.69 801.92,3017 815.18,3017 843.26,2988.91 843.26,2961.66 863.92,2941 1076.63,2941 1324.63,2693 1408.16,2693 1408.9,2693.74 1416.65,2693.74 v2(1418.18,2695.27) ; v2(1910.49,2694.75) 1912.02,2693.22 1917.68,2693.22 1917.89,2693 2001.91,2693 2011.01,2702.1 2024.45,2702.1 2026.35,2704.01 2058.66,2704.01 J8.58@2064.5,2709.85
  Bottom Layer w8: v2(1418.18,2695.27) 1419.71,2693.74 1427.46,2693.74 1428.19,2693 1903.08,2693 1903.3,2693.22 1908.96,2693.22 v2(1910.49,2694.75)
ETH_MD2_P: J2.4 J8.56 | length 1462.2
  Top Layer w8: J2.4@784.61,2969 784.61,2981.75 797.24,2994.38 797.24,2996.31 801.92,3001 808.55,3001 827.26,2982.29 827.26,2955.03 857.29,2925 1070,2925 1318,2677 1408.16,2677 1408.9,2676.26 1416.65,2676.26 v2(1418.18,2674.73) ; v2(1910.49,2675.25) 1912.02,2676.78 1917.68,2676.78 1917.89,2677 2008.53,2677 2017.63,2686.1 2024.45,2686.1 2026.35,2684.2 2058.66,2684.2 2064.25,2678.6 J8.56@2064.5,2678.35
  Bottom Layer w8: v2(1418.18,2674.73) 1419.71,2676.26 1427.46,2676.26 1428.2,2677 1903.08,2677 1903.3,2676.78 1908.96,2676.78 v2(1910.49,2675.25)
ETH_MD3_N: J2.9 J8.65 | length 1999.6
  Top Layer w8: v2(2129.04,2804.5) 2131.2,2804.5 2135.2,2808.5 2135.51,2808.5 2155.1,2828.09 2197.68,2828.09 2199.58,2829.99 2231.89,2829.99 2234.98,2833.08 J8.65@2237.73,2835.83
  Bottom Layer w8: J2.9@784.61,2809 752.61,2841 703.69,2841 699,2836.31 699,2633 785,2547 1012,2547 1215.69,2750.69 2080.18,2750.69 v2@2131.51,2802.02
ETH_MD3_P: J2.7 J8.63 | length 2052.6
  Top Layer w8: v2(2142.83,2790.71) 2142.83,2792.87 2146.83,2796.87 2146.83,2797.18 2161.73,2812.09 2197.68,2812.09 2199.58,2810.18 2231.89,2810.18 J8.63@2237.73,2804.34
  Bottom Layer w8: J2.7@784.61,2889 752.61,2857 697.06,2857 683,2842.94 683,2626.37 778.37,2531 1018.63,2531 1222.31,2734.69 2086.8,2734.69 v2(2142.83,2790.71)
ETH_MD4_N: J2.12 J8.64 | length 1205.5
  Top Layer w8: v2(1930,2800.75) 1931.53,2799.22 1937.19,2799.22 1937.41,2799 2005.17,2799 2007.58,2796.59 2024.45,2796.59 2026.35,2798.49 2058.66,2798.49 2061.75,2801.59 J8.64@2064.5,2804.34
  Bottom Layer w8: J2.12@884.61,2849 916.61,2817 1883.06,2817 1901.06,2799 v2@1930,2799
ETH_MD4_P: J2.10 J8.62 | length 1205.5
  Top Layer w8: v2(1930,2781.25) 1931.53,2782.78 1937.19,2782.78 1937.41,2783 1998.55,2783 2000.96,2780.59 2024.45,2780.59 2026.35,2778.68 2058.66,2778.68 J8.62@2064.5,2772.84
  Bottom Layer w8: J2.10@884.61,2769 916.61,2801 1876.43,2801 1894.43,2783 v2@1930,2783
ext_dump_start: U1.A4 | length 0.4
  Top Layer w5: U1.A4@6767.63,2924.44 U1.A4@6768,2924.44
ext_rstb: U1.B5 | length 27.1
  Top Layer w5: v3(6709,2867) 6709.78,2867 6727.85,2885.07 U1.B5@6728.63,2885.07
FPGA_CGRA_RESET_N: HDR1.1 J15.136 | length 3313
  Top Layer w10: HDR1.1@2784,154 2784,158 2831,205 2831,523 v2(2898.88,590.88) ; v2@4106,920 4715.84,1529.84 v2(4734,1529.84) ; J15.136@4873.62,1880.23 4873.62,1943.34 v4(4874,1943.72)
  Int4 (Sign) w10: v2(2898.88,590.88) 3227.68,919.68 v2(4102.79,919.68)
  Bottom Layer w10: v2(4734,1529.84) 4745.72,1518.12 4829.12,1518.12 4874,1563 v4(4874,1943.72)
fpga_i2c_scl: HDR1.13 J15.131 | length 2315.3
  Top Layer w10: v6(3815,944) 3999.5,1128.5 4292.13,1128.5 4810.63,1647 J15.131@4810.63,1707
  Bottom Layer w10: HDR1.13@3384,154 3430.38,200.38 3430.38,559.38 v6(3815,944)
fpga_i2c_sda: HDR1.11 J15.129 | length 2354.2
  Top Layer w10: v6(3792.73,966.27) 3986.46,1160 4292.13,1160 4779.13,1647 J15.129@4779.13,1707
  Bottom Layer w10: HDR1.11@3284,154 3286,154 3332,200 3332,501.43 3329.94,503.48 v6(3792.73,966.27)
fpga_PMBUS_SCL: J15.12
fpga_PMBUS_SDA: J15.11
freq_lvl_cross: U1.C5 | length 26.7
  Top Layer w5: v3(6670,2867) 6670.59,2867 6688.67,2885.07 U1.C5@6689.26,2885.07